# Altium PCB 5607.PcbDoc (part 5 of 6) (continued)
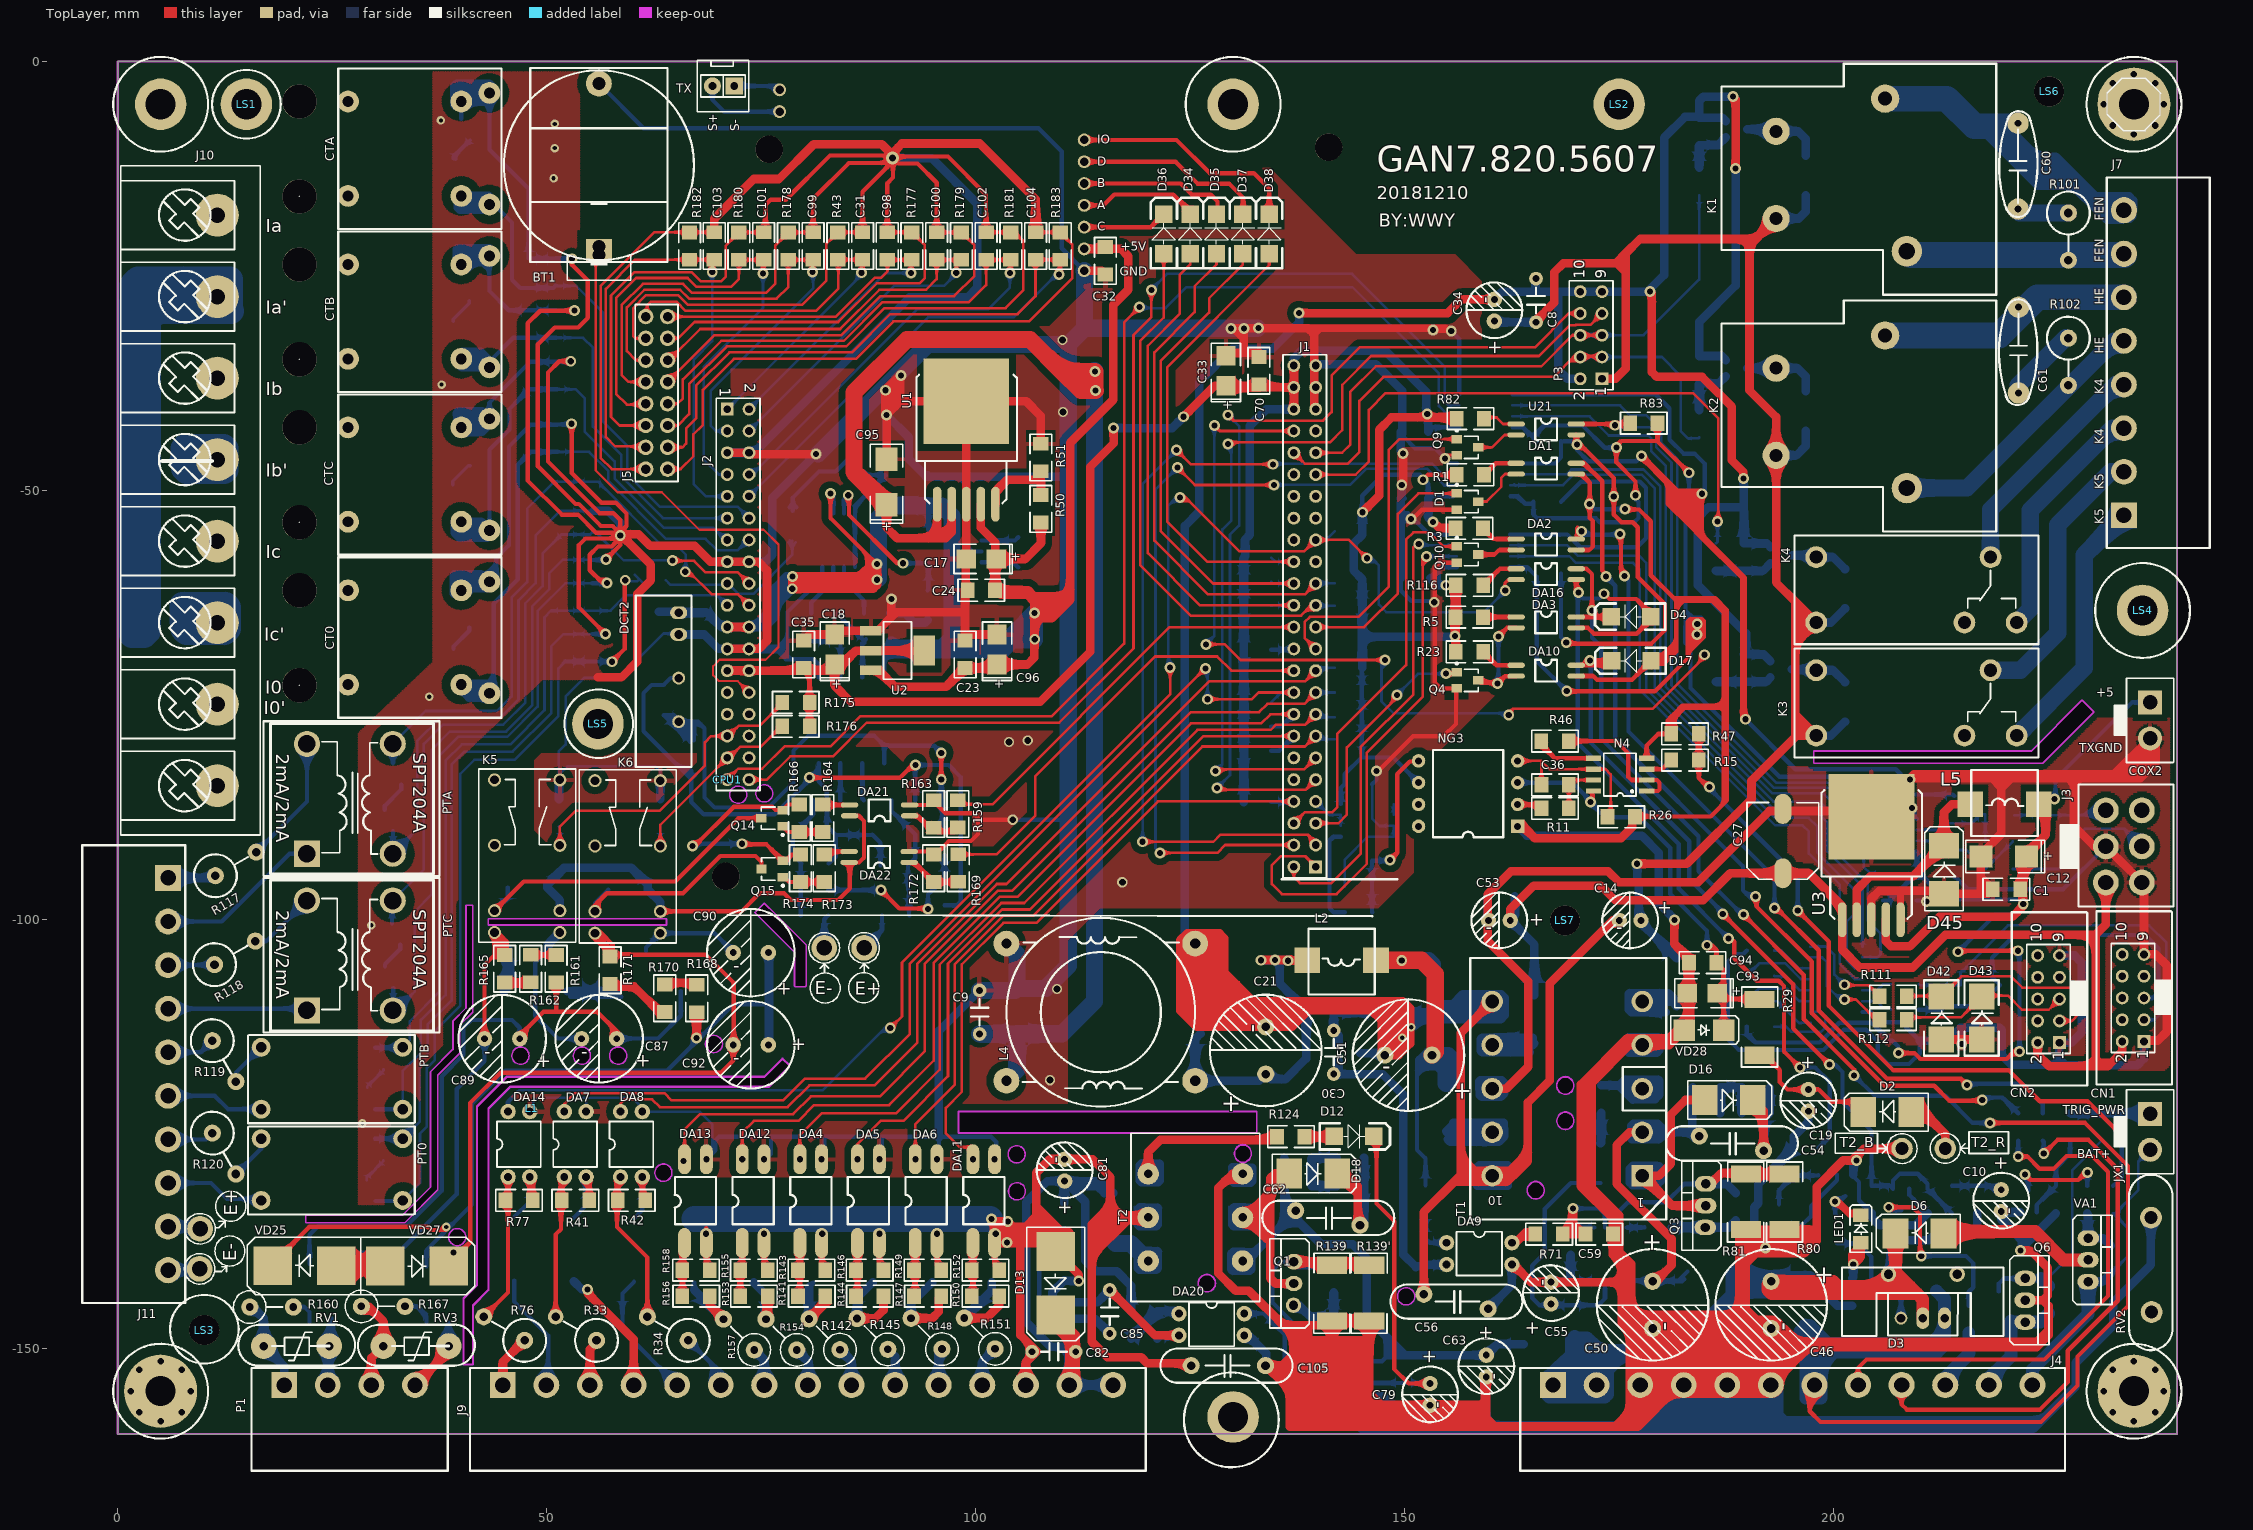
[diagram p0: TopLayer view]
## Nets (pads, with @x,y where several pads share a name; then routed paths per layer and width w, separated by ;. In a path a pad name is that pad's centre, name@x,y a point inside that pad or via, vN(x,y) a via of type N, cw(c..) or ccw(c..) an arc to the next point about the centre after c; other vN are vias at no path point) (continued)
  other v1: 152.629,-41.123
VIN+: D3.3 D4.2 D5.2 DA3.4 DA16.4 J4.7 R6.2 | length 246.5
  TopLayer w0.5: DA3.4@169.997,-64.76 174.037,-64.76 D4.2@174.078,-64.719 172.542,-64.719 v1(171.831,-64.008) 171.831,-59.766 171.201,-59.136 DA16.4@169.997,-59.136 ; v1(189.484,-99.441) 196.52,-106.477 196.52,-111.633 202.387,-117.5 v1(202.387,-118.186) ; J4.7@197.764,-154.28 197.206,-154.838 197.206,-157.328 198.476,-158.598 224.169,-158.598 228.422,-154.344 228.422,-150.952 234.315,-145.059 234.315,-128.753 229.286,-123.723 v1(218.211,-123.723)
  BottomLayer w0.5: v1@171.831,-63.805 171.831,-67.169 172.923,-68.261 172.923,-78.994 184.252,-90.322 184.252,-94.386 189.306,-99.441 v1@189.586,-99.441 ; v1(202.387,-118.186) 204.749,-120.548 213.004,-120.548 216.179,-123.723 v1(218.211,-123.723)
  BottomLayer w1.5: D5.2@196.672,-147.301 196.672,-147.447 196.063,-148.057 196.063,-148.234 196.748,-148.92 196.748,-155.778 198.526,-155.778 198.526,-151.917 ; D5.2@197.205,-147.326 D5.2@197.764,-147.885 ; J4.7@197.764,-154.28 D5.2@197.764,-147.885 ; 198.196,-151.155 198.526,-150.825 ; 198.806,-149.53 198.526,-149.809 198.526,-150.825 ; R6.2@211.988,-143.332 212.928,-144.272 D3.3@212.928,-146.482 212.928,-148.006 ; D5.2@197.764,-147.885 199.333,-149.454 199.898,-149.454 ; 198.526,-151.917 198.526,-150.825 ; 198.526,-151.917 200,-150.444 212.09,-150.444 212.928,-149.606 212.928,-148.006 ; 198.526,-150.825 199.898,-149.454 ; 199.898,-149.454 211.48,-149.454 212.928,-148.006
XL1: Q3.3 R61.1 R80.2 R81.2 U6.3 | length 27.2
  TopLayer w1: Q3.3@185.079,-130.835 185.649,-130.835 186.893,-129.591 189.676,-129.591 R81.2@189.763,-129.678 R80.2@194.285,-129.678
  BottomLayer w0.5: U6.3@174.625,-135.914 174.625,-134.366 176.022,-132.969 180.467,-132.969 182.601,-130.835 Q3.3@185.079,-130.835
  BottomLayer w1: Q3.3@185.079,-130.835 187.528,-130.835 R61.1@188.595,-131.902
YDFENA: J9.5 VD18.2 | length 16
  TopLayer w1: J9.5@64.618,-153.695 J9.5@65.202,-154.28
  BottomLayer w0.5: VD18.2@60.172,-142.257 58.826,-143.603 58.826,-147.904 J9.5@65.202,-154.28
YDFENB: J9.6 R34.1 | length 6.8
  BottomLayer w0.5: R34.1@66.497,-149.073 70.282,-152.857 J9.6@70.282,-154.28
YDHEA: J9.3 R33.1 | length 5.8
  TopLayer w1: J9.3@55.042,-154.28 55.042,-150.114 R33.1@56.185,-148.971
YDHEB: J9.4 VD17.2 | length 15.4
  TopLayer w1: v1(54.762,-143.129) 54.762,-143.586 60.122,-148.946 J9.4@60.122,-154.28
  BottomLayer w1: VD17.2@53.162,-142.181 54.11,-143.129 v1(54.762,-143.129)
YKQA: D34.1 J1.26 R36.2 | length 59.1
  TopLayer w0.3: D34.1@124.993,-22.417 124.993,-23.698 123.774,-24.917 123.774,-29.439 120.066,-33.147 120.066,-57.302 126.163,-63.4 J1.26@137.084,-63.4
  BottomLayer w0.3: R36.2@134.467,-63.462 134.529,-63.4 J1.26@137.084,-63.4
YKQB: D35.1 J1.27 R37.1 | length 60.6
  TopLayer w0.3: D35.1@128.067,-22.417 128.067,-23.673 125.527,-26.213 125.527,-29.235 120.828,-33.934 120.828,-55.855 127.102,-62.128 138.355,-62.128 J1.27@139.624,-60.86
  BottomLayer w0.3: J1.27@139.624,-60.86 139.676,-60.808 R37.1@141.859,-60.808
YKQC: D36.1 J1.25 R38.1 | length 63.1
  TopLayer w0.3: D36.1@121.92,-22.417 121.92,-29.87 119.177,-32.614 119.177,-58.725 125.052,-64.6 137.914,-64.6 139.114,-63.4 J1.25@139.624,-63.4
  BottomLayer w0.3: J1.25@139.624,-63.4 139.698,-63.475 R38.1@141.859,-63.475
YKQD: D37.1 J1.28 R39.1 | length 57.1
  TopLayer w0.3: D37.1@131.14,-22.417 131.14,-23.673 127.203,-27.61 127.203,-29.286 121.564,-34.925 121.564,-54.762 127.662,-60.86 J1.28@137.084,-60.86
  BottomLayer w0.3: R39.1@134.442,-60.649 134.653,-60.86 J1.28@137.084,-60.86
YKQOK: D38.1 J1.30 R40.1 | length 55.7
  TopLayer w0.3: D38.1@134.214,-22.417 134.214,-23.749 122.334,-35.629 122.334,-53.677 126.976,-58.32 J1.30@137.084,-58.32
  BottomLayer w0.3: R40.1@134.442,-57.836 134.926,-58.32 J1.30@137.084,-58.32
YX1: C86.2 DA4.4 J1.15 R31.1 | length 92.8
  TopLayer w0.3: v1(79.507,-127.962) 79.507,-125.141 82.042,-122.606 90.729,-122.606 95.809,-117.526 95.809,-105.288 102.998,-98.098 105.661,-98.098 125.832,-77.927 134.391,-77.927 135.019,-77.3 138.424,-77.3 J1.15@139.624,-76.1
  BottomLayer w0.3: J1.15@139.624,-76.1 139.952,-76.429 R31.1@141.859,-76.429
YX2: C13.2 DA5.4 J1.14 R35.1 | length 84.1
  TopLayer w0.3: v1(86.228,-127.962) 86.228,-126.192 88.925,-123.495 91.567,-123.495 96.774,-118.288 96.774,-105.171 103.088,-98.857 106.324,-98.857 126.541,-78.64 J1.14@137.084,-78.64
  BottomLayer w0.5: C13.2@85.847,-127.33 86.228,-127.711 v1(86.228,-127.962) ; R35.1@134.442,-80.34 135.384,-80.34 J1.14@137.084,-78.64
YX3: C15.2 DA6.4 J1.13 R45.1 | length 80.1
  TopLayer w0.3: DA6.4@92.949,-127.962 v1(92.974,-127.962) 92.974,-123.866 97.561,-119.278 97.561,-105.232 103.2,-99.593 106.68,-99.593 126.416,-79.858 138.379,-79.858 139.597,-78.64 J1.13@139.624,-78.64
  BottomLayer w0.3: J1.13@139.624,-78.64 140.003,-79.019 R45.1@141.859,-79.019
YX4: C22.2 DA11.4 J1.8 R53.1 | length 76
  TopLayer w0.3: DA11.4@99.822,-126.543 98.12,-126.543 96.52,-124.943 96.52,-121.971 98.374,-120.117 98.374,-105.268 103.236,-100.406 107.086,-100.406 121.233,-86.26 J1.8@137.084,-86.26
  TopLayer w0.5: v1(99.67,-127.962) 99.822,-127.81 DA11.4@99.822,-126.543
  BottomLayer w0.5: C22.2@99.187,-127.33 99.67,-127.813 v1(99.67,-127.962) ; R53.1@134.442,-86.335 137.009,-86.335 J1.8@137.084,-86.26
YX_FW: C25.2 DA12.4 J1.16 R72.1 | length 97.5
  TopLayer w0.3: v1(72.786,-127.962) 72.786,-124.851 74.143,-123.495 79.324,-123.495 81.153,-121.666 89.916,-121.666 95.098,-116.484 95.098,-105.08 102.794,-97.384 104.851,-97.384 125.07,-77.165 133.274,-77.165 134.339,-76.1 J1.16@137.084,-76.1
  BottomLayer w0.5: R72.1@134.442,-77.527 135.657,-77.527 J1.16@137.084,-76.1
YX_HW: C38.2 DA13.4 J1.17 R65.1 | length 107.8
  TopLayer w0.3: DA13.4@66.065,-127.962 66.065,-124.511 67.869,-122.707 78.715,-122.707 80.797,-120.625 88.824,-120.625 94.082,-115.367 94.082,-105.156 102.591,-96.647 104.267,-96.647 125.07,-75.844 133.045,-75.844 134.01,-74.879 138.305,-74.879 J1.17@139.624,-73.56
  BottomLayer w0.3: v1(65.964,-128.168) 65.964,-127.381 C38.2@66.447,-126.898 ; J1.17@139.624,-73.56 139.625,-73.558 R65.1@141.859,-73.558
YX_REV3: J1.22 R74.1 | length 2.7
  BottomLayer w0.5: R74.1@134.442,-68.58 136.984,-68.58 J1.22@137.084,-68.48
YX_REV4: J2.34
YX_YDFEN: DA8.4 J1.19 R60.1 | length 111.4
  TopLayer w0.3: DA8.4@58.604,-122.409 58.604,-121.482 59.106,-120.98 62.281,-120.98 63.195,-121.895 78.08,-121.895 80.62,-119.355 88.189,-119.355 93.193,-114.351 93.193,-105.156 102.464,-95.885 103.581,-95.885 127.203,-72.263 138.381,-72.263 J1.19@139.624,-71.02
  BottomLayer w0.3: J1.19@139.624,-71.02 139.956,-70.688 R60.1@141.859,-70.688
YX_YDHE: DA7.4 J1.18 R63.1 | length 119.4
  TopLayer w0.3: DA7.4@52.05,-122.409 52.05,-121.508 53.289,-120.269 63.729,-120.269 64.567,-121.107 77.546,-121.107 80.086,-118.567 87.122,-118.567 92.329,-113.36 92.329,-105.171 126.736,-70.764 v1(126.797,-70.764) ; v1(127,-74.346) 132.182,-74.346 132.967,-73.56 J1.18@137.084,-73.56
  BottomLayer w0.3: v1(126.797,-70.764) 127.025,-70.993 v1@127.025,-74.346 ; R63.1@134.442,-74.714 135.596,-73.56 J1.18@137.084,-73.56
YXGND: C81.2 C82.2 C105.2 D13.1 D20.1 D21.1 D22.1 D23.1 D24.1 D25.1 DA4.2 DA5.2 DA6.2 DA11.2 DA12.2 DA13.2 J9.13 L3.2 R140.1 R143.2 R146.2 R149.2 R152.2 R155.2 R158.2 T2.5 TL2.3 | length 249.7
  TopLayer w0.5: DA13.2@68.58,-136.017 68.605,-136.042 DA13.2@68.605,-137.722 68.605,-140.488 R158.2@69.012,-140.894 ; DA12.2@75.336,-136.449 75.326,-136.459 DA12.2@75.326,-137.722 75.326,-140.462 R155.2@75.758,-140.894 ; v1(82.118,-136.652) 82.047,-136.723 DA4.2@82.047,-137.722 82.047,-140.462 R143.2@82.479,-140.894 ; v1(88.773,-136.652) 88.768,-136.657 DA5.2@88.768,-137.722 88.768,-140.411 R146.2@89.25,-140.894 ; DA6.2@95.504,-136.627 95.489,-136.642 DA6.2@95.489,-137.722 95.489,-140.386 R149.2@95.997,-140.894 ; v1(102.337,-136.652) 102.21,-136.779 DA11.2@102.21,-137.722 102.21,-140.361 R152.2@102.743,-140.894
  TopLayer w1: DA11.2@102.108,-136.881 102.108,-135.611 101.854,-135.357 v1(101.854,-134.95) 102.108,-135.204 v1(103.731,-135.204) 104.391,-135.865 ; DA11.2@102.21,-136.779 102.21,-136.677 103.022,-135.865 104.391,-135.865 ; J9.13@105.842,-154.28 105.842,-151.638 107.112,-150.368 105.207,-148.463 105.207,-137.722 ; 106.782,-135.865 105.791,-135.865 ; 107.036,-134.62 105.791,-135.865 ; D13.1@107.442,-137.185 107.391,-137.135 105.207,-137.135 ; D13.1@108.614,-137.722 D13.1@108.326,-137.722 ; D13.1@110.38,-138.718 D13.1@109.466,-138.718 ; v1(112.014,-142.138) 112.014,-141.41 D13.1@109.322,-138.718 ; C105.2@125.12,-152.019 124.857,-151.756 120.006,-151.756 119.304,-151.054 115.367,-151.054 113.538,-149.225 113.538,-139.192 ; DA11.2@102.638,-137.722 105.207,-137.722 ; DA11.2@102.638,-137.722 103.226,-137.135 105.207,-137.135 ; DA11.2@102.638,-137.722 DA11.2@102.21,-137.722 103.254,-136.677 105.204,-136.677 ; 104.391,-135.865 105.791,-135.865 ; 104.391,-135.865 105.204,-136.677 ; 105.204,-136.677 105.207,-136.68 105.207,-137.135 ; 105.204,-136.677 107.061,-136.677 ; 105.207,-137.722 105.207,-137.135 ; 105.207,-137.722 D13.1@108.106,-137.722 ; 107.061,-136.677 D13.1@108.106,-137.722 ; 107.061,-136.677 107.061,-135.56 ; 107.061,-135.56 108.306,-136.804 108.306,-137.702 D13.1@108.326,-137.722 ; 107.061,-135.56 107.061,-134.264 ; 107.061,-134.264 109.322,-136.525 D13.1@109.322,-138.718 ; 107.061,-134.264 107.061,-133.477 ; 107.061,-133.477 110.033,-136.449 110.922,-136.449 110.922,-137.262 D13.1@109.466,-138.718 ; 107.061,-133.477 107.061,-129.54 108.636,-127.965 C81.2@110.363,-127.965 113.614,-127.965 115.697,-130.048 115.697,-133.401 ; D13.1@108.106,-137.722 109.101,-138.718 D13.1@109.322,-138.718 ; D13.1@108.106,-137.722 D13.1@108.326,-137.722 ; D13.1@108.326,-137.722 D13.1@109.322,-138.718 ; D13.1@109.322,-138.718 D13.1@109.466,-138.718 ; 113.538,-139.192 117.665,-135.064 ; 113.538,-139.192 113.538,-135.56 114.033,-135.064 ; 114.033,-135.064 114.567,-134.531 ; 114.033,-135.064 114.681,-135.064 ; 114.033,-135.064 114.033,-137.681 114.097,-137.744 ; 114.097,-137.744 114.681,-137.16 114.681,-137.109 ; 114.097,-137.744 114.097,-137.122 114.681,-136.538 ; 114.567,-134.531 116.827,-134.531 ; 114.567,-134.531 115.697,-133.401 ; 114.681,-137.109 116.726,-135.064 ; 114.681,-137.109 114.681,-136.538 ; 114.681,-136.538 114.681,-135.064 ; 114.681,-136.538 116.154,-135.064 ; 114.681,-135.064 116.154,-135.064 ; 115.697,-133.401 116.827,-134.531 ; 116.154,-135.064 116.726,-135.064 ; 116.726,-135.064 117.043,-134.747 ; 116.726,-135.064 117.665,-135.064 ; 116.827,-134.531 119.887,-134.531 T2.5@120.103,-134.747 ; 116.827,-134.531 117.043,-134.747 ; 117.043,-134.747 117.983,-134.747 ; 117.665,-135.064 119.786,-135.064 T2.5@120.103,-134.747 ; 117.665,-135.064 117.983,-134.747 ; 117.983,-134.747 T2.5@120.103,-134.747
  BottomLayer w1: D23.1@101.668,-134.933 D23.1@101.778,-134.933 ; v1(101.854,-134.95) D23.1@102.235,-135.331 ; D23.1@101.854,-134.933 103.657,-136.737 v1(103.657,-137.668) ; J9.13@105.842,-154.28 105.842,-151.638 C82.2@107.112,-150.368 ; TL2.3@108.935,-145.593 108.935,-143.464 R140.1@110.312,-142.087 110.363,-142.138 v1(112.014,-142.138) ; T2.5@119.011,-135.052 T2.5@118.909,-134.95 ; 119.62,-133.553 119.138,-133.553 118.909,-133.782 T2.5@118.909,-134.95 ; T2.5@119.671,-133.604 121.221,-133.604 121.221,-135.585 121.043,-135.763 119.087,-135.763 118.909,-135.585 T2.5@118.909,-134.95 ; T2.5@120.433,-133.604 121.195,-134.366 121.195,-134.925 121.068,-134.798 119.861,-134.798 119.708,-134.95 T2.5@118.909,-134.95
  BottomLayer w2: D23.1@101.558,-134.823 D23.1@101.668,-134.933
  BottomLayer w3: D25.1@67.183,-134.933 D24.1@74.117,-134.933 D20.1@81.051,-134.933 D21.1@87.985,-134.933 D22.1@94.92,-134.933 D23.1@101.668,-134.933
  other v1: 68.58,-136.652 75.336,-136.652 95.504,-136.652
YYX1: J9.9 R142.1 | length 4.7
  BottomLayer w1: R142.1@84.176,-150.165 85.522,-151.511 J9.9@85.522,-154.28
YYX2: J9.10 R145.1 | length 4.5
  BottomLayer w1: R145.1@89.764,-150.114 90.602,-150.952 J9.10@90.602,-154.28
YYX3: J9.11 R148.1 | length 4.3
  BottomLayer w1: J9.11@95.682,-154.28 95.682,-150.47 R148.1@96.063,-150.089
YYX4: J9.12 R151.1 | length 4.8
  BottomLayer w1: J9.12@100.762,-154.28 100.762,-151.562 R151.1@102.26,-150.063
YYX_FW: J9.8 R154.1 | length 4.7
  BottomLayer w1: R154.1@79.146,-150.19 80.518,-151.562 80.518,-154.203 J9.8@80.442,-154.28
YYX_HW: J9.7 R157.1 | length 4.6
  BottomLayer w1: R157.1@74.193,-150.19 75.362,-151.359 J9.7@75.362,-154.28
pads on no net: CN1.4 CN1.6 CN1.7 CN1.8 CN1.10 CN2.4 CN2.6 CN2.7 CN2.8 CN2.10 CT0.0 CT0.1 CT0.3 CTA.0 CTA.1 CTA.3 CTB.0 CTB.1 CTB.3 CTC.0 CTC.1 CTC.3 D3.4 J1.10 J1.12 J1.29 J1.33 J1.34 J1.35 J1.36 J1.38 J3.2 K3.2 K4.2 K5.9 K5.12 K6.9 K6.12 LS1.PAD1 LS2.PAD1 LS3.PAD1 LS4.PAD1 LS5.PAD1 LS6.PAD1 LS7.PAD1 NG3.7 NG3.8 U6.6 U9.5 U10.6 U13.1 U13.6 U13.7 VD1.2 VD2.2 VD5.2 VD6.2 VD7.2 VD8.2 VD9.2 VD10.2 VD11.2 VD12.2 VD13.2 VD14.2 VD15.2 VD16.2 VD19.2 VD20.2 VD21.2 VD22.2
copper on no net: | length 6.4
  BottomLayer w1: 6.756,-155 6.756,-156.442 7.247,-156.932 ; 236.756,-155 236.756,-156.442 237.247,-156.932 ; 236.756,-5 236.756,-6.442 237.247,-6.932

## Polygon pours and split planes (outlines as drawn)
GND on TopLayer "TOP_CTPTGND" (hatched 90Degree grid 0.2 track 0.2, pour order 4): 50.025,-1.219 49.918,-1.118 36.738,-1.118 36.738,-70.028 28.814,-77.572 28.067,-78.283 28.067,-127.991 28.067,-134.239 28.147,-134.315 33.59,-134.315 33.75,-134.315 36.765,-131.445 36.818,-131.394 36.818,-117.5 36.818,-117.424 39.566,-114.808 39.646,-114.732 39.646,-100.813 39.646,-81.432 43.408,-77.851 49.491,-72.06 55.12,-72.06 59.362,-72.06 62.244,-69.317 62.484,-69.088 62.484,-59.131 62.484,-58.877 54.213,-51.003 53.813,-50.622 53.813,-1.118 49.918,-1.118 49.864,-1.168
TX_GND on TopLayer "TXGND" (hatched Horizontal grid 0.2 track 0.2, remove dead copper, pour order 17): 197.51,-82.042 225.298,-82.042 230.886,-76.454 239.649,-76.454 239.649,-116.535 238.506,-117.678 222.504,-117.678 220.828,-116.002 220.497,-116.332 207.899,-116.332 200.736,-109.169 200.736,-100.178 194.666,-94.107 194.666,-82.194 197.51,-82.194 197.714,-81.991
GND on TopLayer "TOP_GND" (solid, remove dead copper, pour order 16): 70.866,-40.31 71.425,-39.751 71.425,-35.839 86.03,-35.839 90.983,-30.886 108.56,-30.886 112.801,-26.645 112.573,-26.416 112.573,-8.382 123.596,-8.382 127.838,-12.624 128.067,-12.395 134.518,-12.395 134.391,-12.522 144.374,-22.504 155.88,-22.504 159.004,-25.629 159.004,-36.195 162.331,-39.522 162.204,-39.649 162.204,-72.492 161.976,-72.492 154.153,-80.315 151.054,-80.315 151.054,-94.564 146.914,-98.704 114.503,-98.704 110.719,-102.489 110.719,-121.92 102.108,-130.531 101.651,-130.073 64.872,-130.073 64.872,-127.533 61.087,-123.749 43.383,-123.749 43.383,-121.793 45.466,-119.71 80.289,-119.71 91.897,-108.102 91.897,-82.042 89.713,-79.858 78.308,-79.858 73.939,-84.226 68.885,-84.226 63.957,-89.154 64.313,-89.51 64.313,-92.024 50.978,-92.024 48.565,-89.611 48.565,-81.458 49.378,-80.645 67.767,-80.645 70.409,-78.003 70.282,-77.876 70.282,-40.437
GND on BottomLayer "BOT_CTPTGND" (hatched 90Degree grid 0.2 track 0.2, remove dead copper, pour order 2): 45.491,-0.838 45.263,-0.61 36.906,-0.61 36.906,-71.755 35.687,-72.974 33.045,-75.616 31.039,-75.616 30.81,-75.616 28.88,-77.546 28.88,-111.608 28.88,-111.684 26.187,-114.376 26.111,-114.452 26.111,-133.299 26.111,-134.239 26.187,-134.315 32.817,-134.315 33.35,-134.315 36.068,-131.597 36.906,-130.759 36.906,-118.72 36.906,-117.881 39.776,-115.011 39.7,-114.935 39.7,-111.531 39.827,-111.531 41.377,-109.982 41.402,-109.957 41.402,-83.414 41.402,-83.337 42.875,-81.864 43.256,-81.483 49.962,-81.483 50.495,-81.483 54.051,-77.927 55.22,-76.759 55.22,-28.575 55.22,-6.325 51.13,-2.235 49.581,-0.686 45.339,-0.686
6GND on BottomLayer "6GND" (hatched Horizontal grid 0.2 track 0.2, remove dead copper, pour order 14): 180.162,-8.89 168.808,-20.244 163.576,-20.244 163.576,-20.345 159.106,-24.816 159.106,-31.267 164.338,-36.5 188.366,-36.5 193.065,-31.801 193.065,-2.438 191.643,-1.016 183.667,-1.016 181.915,-2.769 181.915,-7.366 180.289,-8.992
TX_GND on BottomLayer "TXGND" (hatched Horizontal grid 0.2 track 0.2, remove dead copper, pour order 12): 163.093,-38.71 162.941,-59.944 163.22,-59.944 164.871,-61.595 164.871,-62.055 166.372,-60.554 174.422,-60.554 176.657,-62.789 176.657,-78.435 179.476,-78.435 197.536,-96.495 197.536,-100.076 197.383,-100.076 195.326,-102.134 185.524,-102.134 185.524,-102.842 183.515,-104.851 183.82,-105.156 183.82,-115.875 184.252,-115.875 185.903,-117.526 239.725,-117.526 239.725,-72.644 240.03,-72.339 239.878,-72.187 234.671,-72.187 234.671,-72.466 225.273,-81.864 196.621,-81.864 185.75,-70.993 185.75,-38.71 163.906,-38.71 163.474,-38.71
no net on BottomLayer "Top Layer-CT_OUT_GND" (solid, remove dead copper, pour order 6): 133.02,-15.57
GND on BottomLayer "BOT_GND" (solid, remove dead copper, pour order 10): 53.746,-0.076 53.746,-3.48 53.848,-3.48 57.429,-7.061 57.429,-23.597 58.064,-24.232 58.141,-24.155 66.421,-24.155 77.546,-13.03 84.531,-13.03 87.376,-10.185 88.214,-10.185 89.586,-8.814 105.207,-8.814 108.966,-12.573 108.966,-22.581 111.531,-25.146 111.531,-28.296 108.687,-31.14 108.585,-31.039 94.894,-31.039 75.159,-50.775 75.159,-56.769 74.346,-57.582 62.128,-57.582 58.801,-60.909 58.801,-70.917 57.988,-71.73 52.476,-71.73 48.412,-75.794 48.412,-90.018 50.622,-92.227 64.414,-92.227 64.872,-91.77 64.872,-83.591 62.484,-81.204 54.204,-81.204 53.924,-80.924 57.607,-77.241 57.607,-74.041 61.849,-69.799 68.351,-69.799 68.351,-69.901 70.561,-72.111 70.561,-83.693 76.606,-83.693 77.902,-82.398 77.902,-72.746 79.273,-71.374 99.873,-71.374 102.438,-73.939 102.438,-100.228 102.337,-100.228 91.872,-110.693 84.709,-110.693 75.846,-119.557 45.162,-119.557 43.078,-121.641 43.078,-123.571 61.824,-123.571 67.056,-128.803 102.235,-128.803 103.175,-127.864 103.175,-125.12 98.12,-125.12 97.841,-124.841 98.007,-124.675 98.007,-122.401 110.492,-122.401 118.516,-114.376 118.516,-96.825 119.888,-95.453 136.906,-95.453 136.906,-96.012 141.757,-100.863 148.285,-100.863 151.587,-97.561 151.587,-77.902 156.743,-72.746 156.464,-72.466 156.464,-28.372 149.936,-21.844 125.959,-21.844 119.888,-15.773 119.888,0 53.848,0

## Keep-outs
KeepOutLayer:
  circle w0.15: c72.315,-85.474 r1
  circle w0.15: c168.708,-119.383 r1
  circle w0.15: c168.734,-123.498 r1
  circle w0.15: c165.279,-131.601 r1
  circle w0.15: c150.166,-143.945 r1
  circle w0.15: c126.925,-142.421 r1
  circle w0.15: c131.142,-127.308 r1
  circle w0.15: c104.802,-131.702 r1
  circle w0.15: c104.776,-127.384 r1
  circle w0.15: c150.166,-143.945 r1
  circle w0.15: c126.951,-142.421 r1
  circle w0.15: c131.142,-127.308 r1
  circle w0.15: c165.279,-131.601 r1
  circle w0.15: c168.734,-123.498 r1
  circle w0.15: c168.734,-119.383 r1
  circle w0.15: c63.603,-129.543 r1
  circle w0.15: c75.363,-85.322 r1
  circle w0.15: c39.575,-137.036 r1
  circle w0.15: c46.941,-115.903 r1
  circle w0.15: c54.103,-115.903 r1
  circle w0.15: c58.32,-115.903 r1
  circle w0.15: c69.496,-114.532 r1
  lines w0.2: 21.92,-135.357 33.477,-135.357 37.313,-131.521 37.313,-118.186 39.878,-115.621 39.878,-112.319 41.377,-110.82 41.377,-98.374 40.589,-98.374 40.589,-110.338 39.065,-111.862 39.065,-115.164 36.449,-117.78 36.449,-131.242 33.223,-134.468 21.92,-134.468 21.92,-135.357 ; 40.31,-151.841 40.31,-144.221 41.885,-142.646 41.885,-121.844 45.339,-118.389 75.387,-118.389 77.47,-116.307 77.495,-116.307 78.232,-117.043 78.232,-117.145 75.921,-119.456 45.745,-119.456 43.18,-122.022 43.18,-143.18 41.377,-144.983 41.377,-151.841 40.31,-151.841 ; 43.18,-100.653 43.205,-100.653 63.525,-100.653 63.957,-100.653 63.957,-99.949 43.637,-99.949 43.18,-99.949 43.18,-100.653 ; 74.27,-99.212 78.887,-103.83 78.887,-107.767 78.969,-107.848 80.137,-107.848 80.239,-107.747 80.239,-102.997 76.683,-99.441 75.362,-98.12 74.27,-99.212 ; 98.007,-124.916 132.762,-124.916 132.762,-122.401 98.007,-122.401 98.007,-124.916 ; 197.688,-81.813 197.688,-80.391 223.012,-80.391 228.93,-74.473 228.981,-74.473 230.327,-75.819 230.327,-75.844 224.358,-81.813 197.688,-81.813
  lines w0.254: 0,-160 240,-160 240,0 0,0 0,-160
Mechanical1:
  circle w0.15: c168.708,-119.383 r1
  circle w0.15: c168.734,-123.498 r1
  circle w0.15: c165.279,-131.601 r1
  circle w0.15: c150.166,-143.945 r1
  circle w0.15: c126.925,-142.421 r1
  circle w0.15: c131.167,-127.359 r1
  circle w0.15: c104.802,-131.702 r1
  circle w0.15: c104.776,-127.384 r1
  circle w0.15: c46.941,-115.903 r1
  circle w0.15: c54.103,-115.903 r1
  circle w0.15: c58.32,-115.903 r1
  circle w0.15: c69.496,-114.532 r1
  circle w0.15: c39.575,-137.036 r1
  circle w0.15: c75.363,-85.322 r1
  lines w0.2: 21.92,-135.357 33.477,-135.357 37.313,-131.521 37.313,-118.186 39.878,-115.621 39.878,-112.319 41.377,-110.82 41.377,-98.374 40.589,-98.374 40.589,-110.338 39.065,-111.862 39.065,-115.164 36.449,-117.78 36.449,-131.242 33.223,-134.468 21.92,-134.468 21.92,-135.357 ; 43.18,-100.653 43.205,-100.653 63.525,-100.653 63.957,-100.653 63.957,-99.949 43.637,-99.949 43.18,-99.949 43.18,-100.653 ; 74.27,-99.212 78.887,-103.83 78.887,-107.767 78.969,-107.848 80.137,-107.848 80.239,-107.747 80.239,-102.997 76.683,-99.441 75.362,-98.12 74.27,-99.212 ; 197.688,-81.813 197.688,-80.391 223.012,-80.391 228.93,-74.473 228.981,-74.473 230.327,-75.819 230.327,-75.844 224.358,-81.813 197.688,-81.813

## Other copper
TopLayer:
  rectangle net 6GND: 128.473,-110.668 130.175,-106.705
  rectangle net 6GND: 130.429,-110.465 131.851,-108.585
  rectangle net 6GND: 129.261,-110.236 130.785,-107.213
  rectangle net 6GND: 124.079,-110.134 129.057,-101.778
  rectangle net 6GND: 124.943,-112.192 137.719,-110.896
  rectangle net 6GND: 124.079,-111.125 138.176,-109.525
  rectangle net 6GND: 146.914,-115.443 150.139,-109.677
  rectangle net PGND: 177.063,-154.737 192.126,-147.371
  rectangle net PGND: 136.601,-159.512 159.283,-156.566
  rectangle net PGND: 136.703,-157.709 145.898,-148.539
  rectangle net TX_GND: 182.728,-53.48 184.62,-50.394
BottomLayer:
  rectangle net PGND: 188.9,-148.971 192.532,-147.701
  rectangle net PGND: 188.29,-149.86 192.507,-148.387
  rectangle net PGND: 187.554,-150.165 193.04,-149.174
  rectangle net PGND: 186.665,-151.105 193.7,-149.936
  rectangle net PGND: 185.903,-151.562 192.964,-150.673
  rectangle net PGND: 185.268,-152.324 192.862,-151.359
  rectangle net PGND: 184.353,-153.645 193.015,-152.248
  rectangle net PGND: 176.352,-159.36 193.396,-153.721
  rectangle net GND: 39.522,-4.47 43.459,-2.565
  rectangle net GND: 39.522,-23.597 43.561,-21.641
  rectangle net GND: 40.157,-42.672 43.307,-40.564
  rectangle net GND: 39.548,-61.925 43.307,-59.69
  rectangle net PGND: 145.339,-158.648 148.692,-156.82
  rectangle net PGND: 151.181,-158.966 153.162,-156.667
  rectangle net 6GND: 158.471,-131.039 162.001,-128.676
  rectangle net PGND: 175.819,-115.697 179.553,-113.487
  rectangle net NetD14_1: 175.946,-110.617 180.645,-108.407
  rectangle net NetR70_2: 176.047,-120.904 179.68,-118.821
  rectangle net NetC50_1: 176.174,-125.832 179.502,-123.85
  rectangle net NetD16_1: 176.022,-131.14 179.476,-128.626

## Silkscreen, mask and mechanical layers (free items; w line width, h text height)
TopOverlay:
  circle w0.15: c213.004,-126.695 r1.749
  circle w0.15: c207.975,-126.721 r1.749
  circle w0.15: c13.08,-138.659 r1.754
  circle w0.15: c13.181,-133.452 r1.754
  circle w0.15: c86.943,-107.975 r1.754
  circle w0.15: c82.447,-108.001 r1.754
  circle w0.15: c87,-103.327 r1.78
  circle w0.15: c82.347,-103.327 r1.78
  circle w0.15: c9.55,-140.741 r1.78
  circle w0.15: c9.601,-136.068 r1.78
  circle w0.254: c10.097,-147.777 r4
  circle w0.254: c130,-5 r5.525
  circle w0.254: c235,-5 r5.525
  circle w0.254: c235,-155 r5.525
  circle w0.254: c5,-155 r5.525
  circle w0.254: c236,-64 r5.525
  circle w0.254: c129.796,-158.339 r5.525
  circle w0.254: c56.06,-77.204 r4
  circle w0.254: c15,-5 r4
  circle w0.254: c5,-5 r5.525
  lines w0.1: 236.35,-8.064 233.734,-8.064 231.905,-6.235 231.905,-3.695 233.658,-1.943 236.35,-1.943 238.128,-3.721 ; 231.901,-6.148 233.755,-8.002 236.27,-8.002 238.049,-6.223 238.049,-3.685 236.286,-1.922 233.638,-1.922 231.901,-3.658 231.901,-6.148
  lines w0.2: 11.303,-141.046 12.09,-141.046 12.675,-140.462 ; 11.43,-135.941 11.76,-135.941 12.522,-135.179 ; 11.811,-135.179 12.522,-135.179 ; 12.116,-140.487 12.649,-140.487 12.675,-140.462 ; 12.548,-135.89 12.548,-135.179 12.522,-135.179 ; 12.675,-141.072 12.675,-140.462 ; 81.864,-105.689 82.372,-105.181 ; 82.372,-106.172 82.372,-105.105 82.372,-105.181 ; 82.88,-105.689 82.372,-105.181 ; 86.517,-105.689 87.025,-105.181 ; 87.025,-106.172 87.025,-105.105 87.025,-105.181 ; 87.533,-105.689 87.025,-105.181 ; 205.232,-126.721 206.226,-126.721 206.197,-126.721 205.664,-127.254 ; 205.664,-126.159 206.197,-126.692 ; 214.782,-126.724 215.316,-127.257 ; 215.316,-126.162 214.782,-126.695 214.754,-126.695 215.748,-126.695 ; 200.177,-127.279 200.177,-124.917 200.711,-124.917 205.105,-124.917 205.105,-127.279 200.177,-127.279 ; 215.773,-127.305 220.37,-127.305 220.37,-124.765 216.306,-124.765 215.773,-124.765 215.773,-127.305
  lines w0.254: 71.095,-99.492 146.229,-99.644 ; 135.661,-95.326 149.174,-95.326
  lines w0.5: 5.182,-46.59 10.949,-46.59
  text "S+" at 69.875,-8.128 h1 r90
  text "S-" at 72.415,-8.128 h1 r90
  text "IO" at 114.148,-9.601 h1
  text "D" at 114.148,-12.141 h1
  text "GAN7.820.5607" at 146.761,-12.878 h3
  text "B" at 114.148,-14.681 h1
  text "20181210" at 146.761,-16.078 h1.52
  text "A" at 114.148,-17.221 h1
  text "FEN" at 231.47,-18.593 h1 r90
  text "BY:WWY" at 146.99,-19.279 h1.52
  text "C" at 114.148,-19.761 h1
  text "Ia" at 17.272,-19.914 h1.52
  text "+5V" at 116.891,-22.073 h1
  text "FEN" at 231.47,-23.393 h1 r90
  text "GND" at 116.815,-24.968 h1
  text "HE" at 231.47,-28.397 h1 r90
  text "Ia'" at 17.272,-29.414 h1.52
  text "HE" at 231.47,-34.061 h1 r90
  text "K4" at 231.47,-38.811 h1 r90
  text "Ib" at 17.272,-38.914 h1.52
  text "K4" at 231.47,-44.602 h1 r90
  text "Ib'" at 17.272,-48.414 h1.52
  text "K5" at 231.47,-49.86 h1 r90
  text "K5" at 231.47,-53.95 h1 r90
  text "Ic" at 17.272,-57.914 h1.52
  text "Ic'" at 17.09,-67.529 h1.52
  text "I0" at 17.196,-73.711 h1.52
  text "+5" at 230.581,-74.041 h1
  text "I0'" at 17.018,-76.124 h1.52
  text "TXGND" at 228.625,-80.518 h1
  text "E-" at 81.255,-108.737 h1.52
  text "E+" at 85.903,-108.763 h1.52
  text "TRIG_PWR" at 226.72,-122.707 h1
  text "T2_R" at 216.027,-126.568 h1.2
  text "T2_B" at 200.685,-126.594 h1.2
  text "BAT+" at 228.371,-127.838 h1
  text "E+" at 13.945,-134.544 h1.52 r90
  text "E-" at 13.792,-139.852 h1.52 r90